# KiCad board Li-ion charger_panel.kicad_pcb (continued)
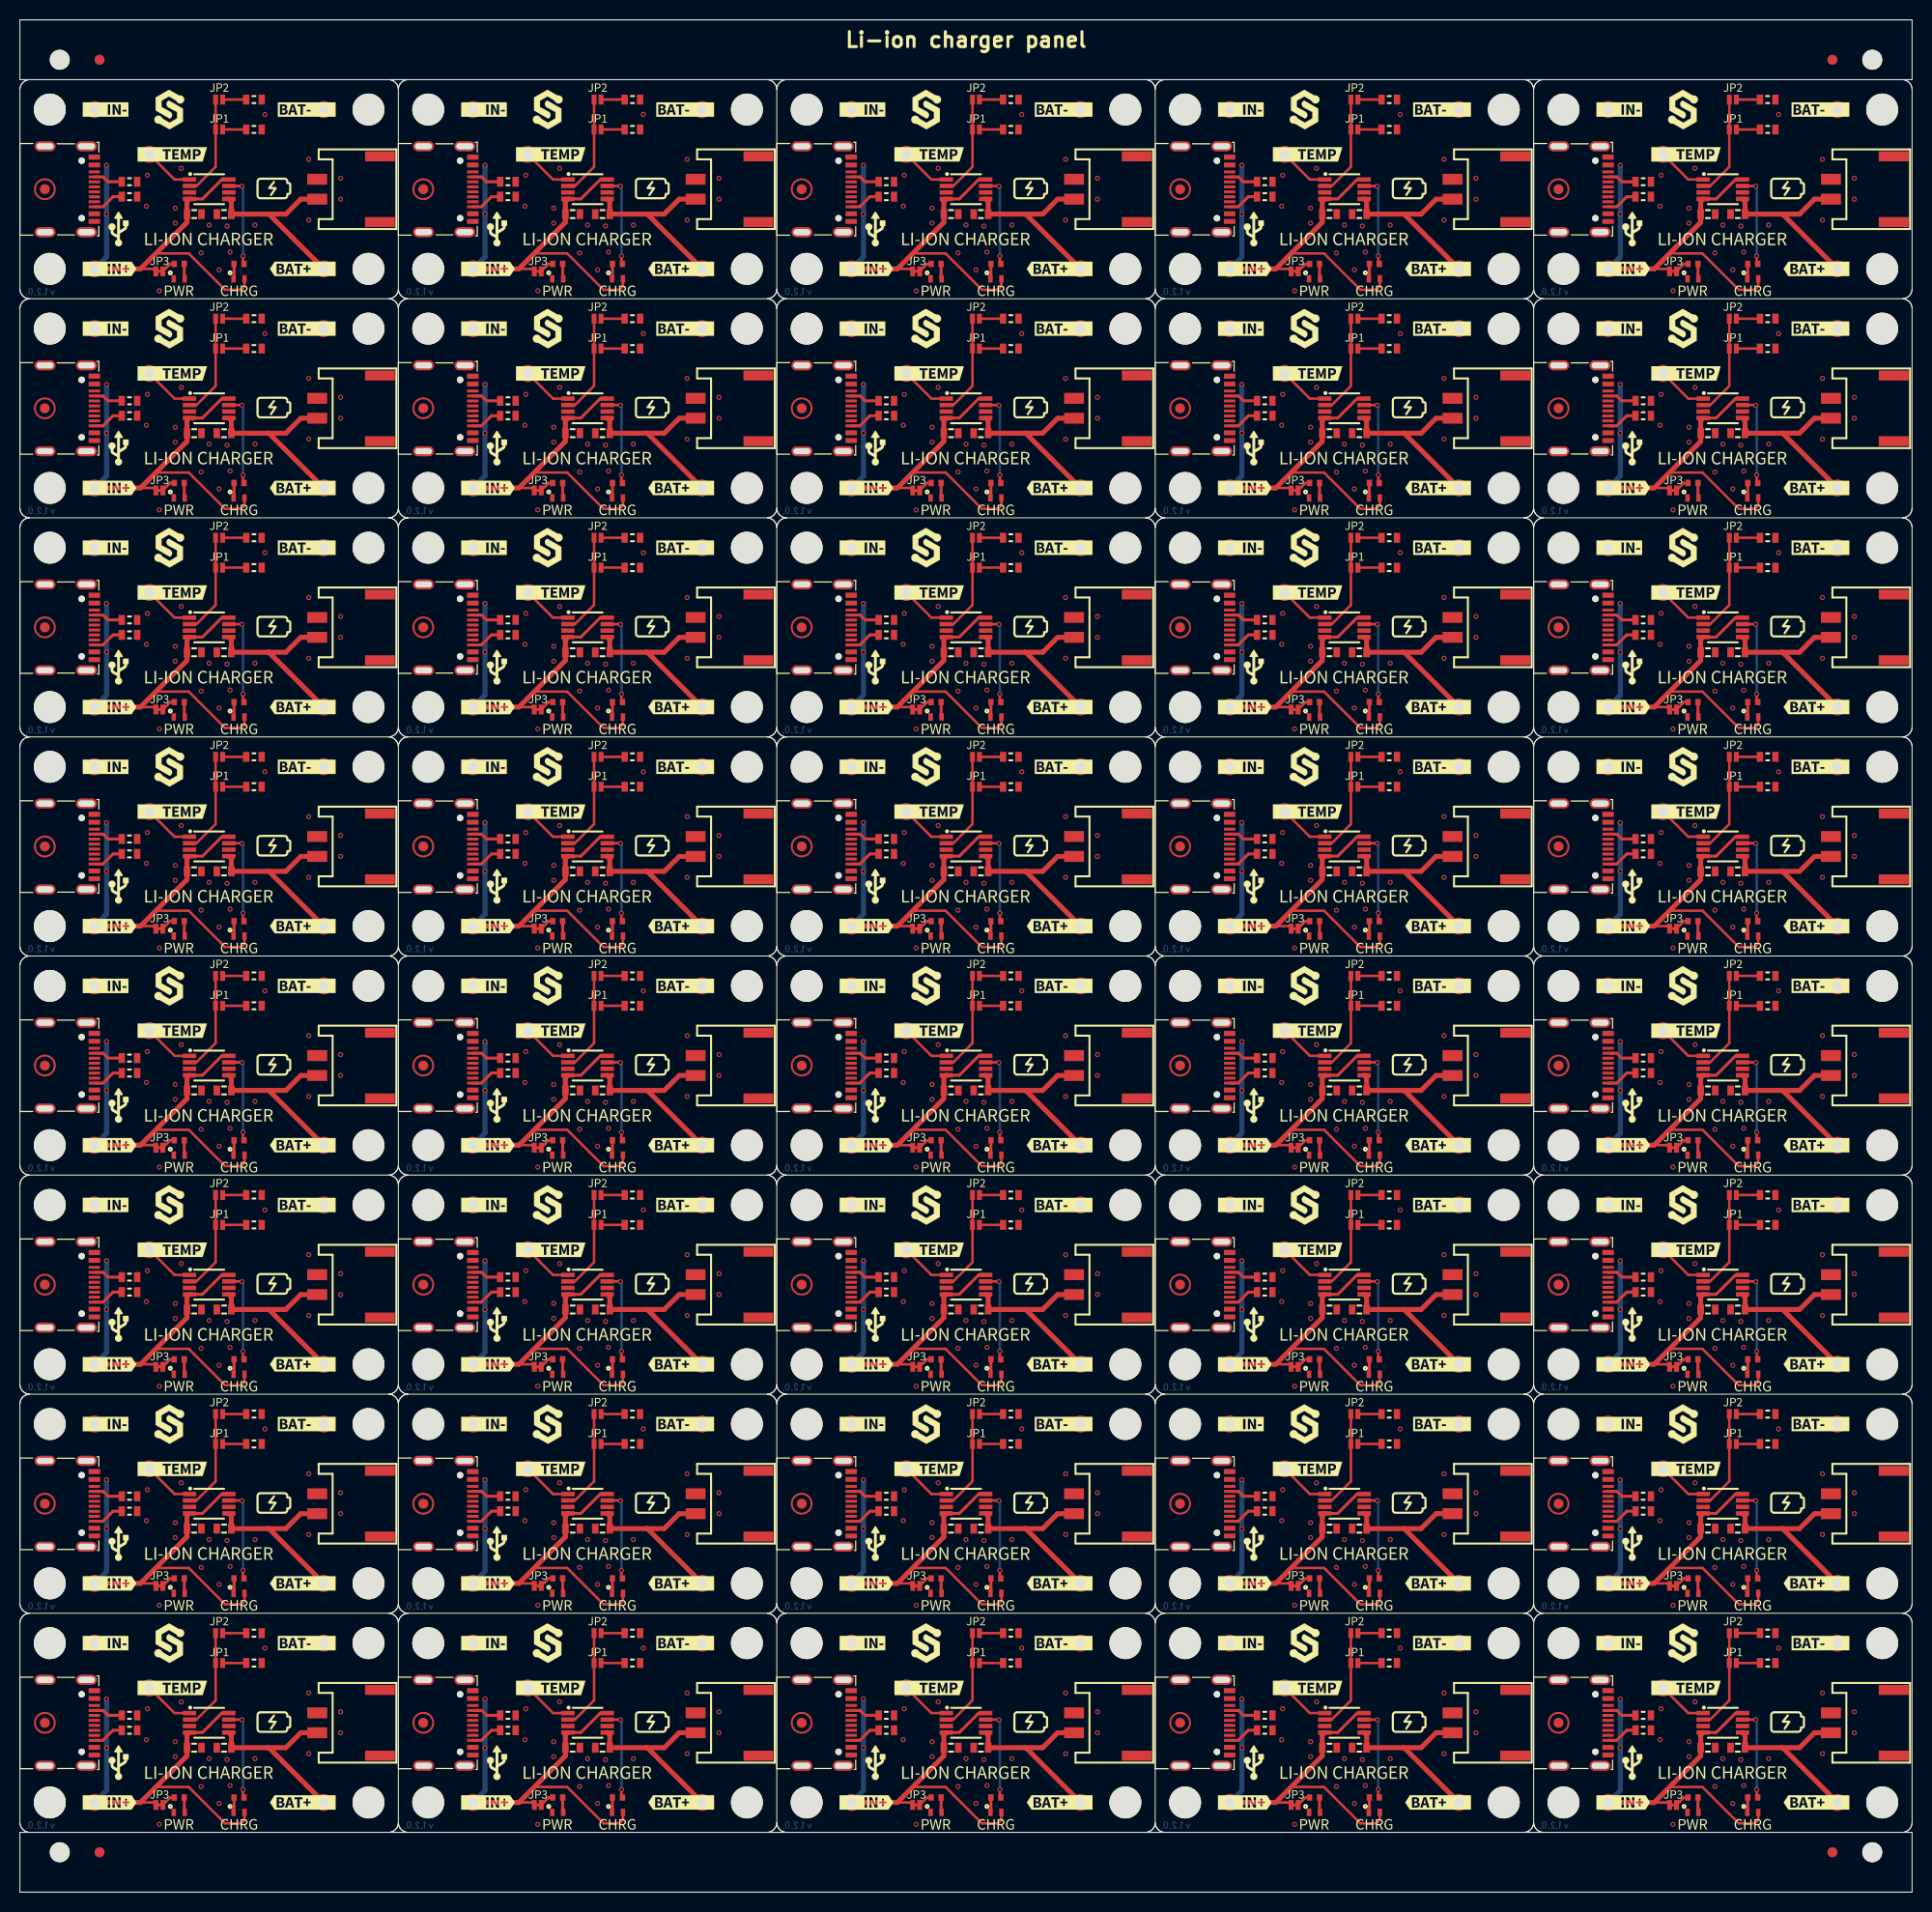
[diagram p0: board, top side]
## Nets (continued)
Board_6-Net-(JP2-Pad1): JP2#2.1 R4#3.2
Board_6-Net-(JP3-Pad2): JP3#26.2 R6#14.1
Board_6-Net-(K1-PadA5): K1#4.A5 R2#14.1
Board_6-Net-(K1-PadB5): K1#4.B5 R1#25.1
Board_6-Net-(R5-Pad1): R5#12.1 U1#24.7
Board_6-PROG: JP1#28.2 JP2#2.2 U1#24.2
Board_6-TEMP: K4#18.1 U1#24.1
Board_6-unconnected-(K1-PadA6): K1#4.A6
Board_6-unconnected-(K1-PadA7): K1#4.A7
Board_6-unconnected-(K1-PadA8): K1#4.A8
Board_6-unconnected-(K1-PadB6): K1#4.B6
Board_6-unconnected-(K1-PadB7): K1#4.B7
Board_6-unconnected-(K1-PadB8): K1#4.B8
Board_6-unconnected-(U1-Pad6): U1#24.6
Board_6-VBAT: C2#28.2 K5#13.1 K7#4.1 U1#24.5
Board_6-VUSB: C1#5.2 D1#28.1 JP3#26.1 K1#4.A4 K1#4.A9 K1#4.B4 K1#4.B9 K2#38.1 U1#24.4 U1#24.8
Board_7-GND: C1#29.1 C2#38.1 D2#5.2 K1#9.A1 K1#9.A12 K1#9.B1 K1#9.B12 K1#9.SH K3#15.1 K6#15.1 K7#17.2 R1#34.2 R2#34.2 R3#30.1 R4#32.1 U1#33.3
Board_7-Net-(D1-Pad2): D1#18.2 R5#30.2
Board_7-Net-(D2-Pad1): D2#5.1 R6.2
Board_7-Net-(JP1-Pad1): JP1#26.1 R3#30.2
Board_7-Net-(JP2-Pad1): JP2#16.1 R4#32.2
Board_7-Net-(JP3-Pad2): JP3#32.2 R6.1
Board_7-Net-(K1-PadA5): K1#9.A5 R2#34.1
Board_7-Net-(K1-PadB5): K1#9.B5 R1#34.1
Board_7-Net-(R5-Pad1): R5#30.1 U1#33.7
Board_7-PROG: JP1#26.2 JP2#16.2 U1#33.2
Board_7-TEMP: K4#37.1 U1#33.1
Board_7-unconnected-(K1-PadA6): K1#9.A6
Board_7-unconnected-(K1-PadA7): K1#9.A7
Board_7-unconnected-(K1-PadA8): K1#9.A8
Board_7-unconnected-(K1-PadB6): K1#9.B6
Board_7-unconnected-(K1-PadB7): K1#9.B7
Board_7-unconnected-(K1-PadB8): K1#9.B8
Board_7-unconnected-(U1-Pad6): U1#33.6
Board_7-VBAT: C2#38.2 K5#22.1 K7#17.1 U1#33.5
Board_7-VUSB: C1#29.2 D1#18.1 JP3#32.1 K1#9.A4 K1#9.A9 K1#9.B4 K1#9.B9 K2#40.1 U1#33.4 U1#33.8
Board_8-GND: C1#14.1 C2#39.1 D2#22.2 K1#13.A1 K1#13.A12 K1#13.B1 K1#13.B12 K1#13.SH K3#16.1 K6#11.1 K7#12.2 R1#12.2 R2#18.2 R3#12.1 R4#29.1 U1#6.3
Board_8-Net-(D1-Pad2): D1#33.2 R5#4.2
Board_8-Net-(D2-Pad1): D2#22.1 R6#27.2
Board_8-Net-(JP1-Pad1): JP1#17.1 R3#12.2
Board_8-Net-(JP2-Pad1): JP2#33.1 R4#29.2
Board_8-Net-(JP3-Pad2): JP3#31.2 R6#27.1
Board_8-Net-(K1-PadA5): K1#13.A5 R2#18.1
Board_8-Net-(K1-PadB5): K1#13.B5 R1#12.1
Board_8-Net-(R5-Pad1): R5#4.1 U1#6.7
Board_8-PROG: JP1#17.2 JP2#33.2 U1#6.2
Board_8-TEMP: K4#30.1 U1#6.1
Board_8-unconnected-(K1-PadA6): K1#13.A6
Board_8-unconnected-(K1-PadA7): K1#13.A7
Board_8-unconnected-(K1-PadA8): K1#13.A8
Board_8-unconnected-(K1-PadB6): K1#13.B6
Board_8-unconnected-(K1-PadB7): K1#13.B7
Board_8-unconnected-(K1-PadB8): K1#13.B8
Board_8-unconnected-(U1-Pad6): U1#6.6
Board_8-VBAT: C2#39.2 K5#38.1 K7#12.1 U1#6.5
Board_8-VUSB: C1#14.2 D1#33.1 JP3#31.1 K1#13.A4 K1#13.A9 K1#13.B4 K1#13.B9 K2#17.1 U1#6.4 U1#6.8
Board_9-GND: C1#34.1 C2#5.1 D2#25.2 K1#33.A1 K1#33.A12 K1#33.B1 K1#33.B12 K1#33.SH K3#13.1 K6#26.1 K7#16.2 R1#30.2 R2#40.2 R3#25.1 R4#30.1 U1#31.3
Board_9-Net-(D1-Pad2): D1#12.2 R5#20.2
Board_9-Net-(D2-Pad1): D2#25.1 R6#32.2
Board_9-Net-(JP1-Pad1): JP1.1 R3#25.2
Board_9-Net-(JP2-Pad1): JP2.1 R4#30.2
Board_9-Net-(JP3-Pad2): JP3#10.2 R6#32.1
Board_9-Net-(K1-PadA5): K1#33.A5 R2#40.1
Board_9-Net-(K1-PadB5): K1#33.B5 R1#30.1
Board_9-Net-(R5-Pad1): R5#20.1 U1#31.7
Board_9-PROG: JP1.2 JP2.2 U1#31.2
Board_9-TEMP: K4#15.1 U1#31.1
Board_9-unconnected-(K1-PadA6): K1#33.A6
Board_9-unconnected-(K1-PadA7): K1#33.A7
Board_9-unconnected-(K1-PadA8): K1#33.A8
Board_9-unconnected-(K1-PadB6): K1#33.B6
Board_9-unconnected-(K1-PadB7): K1#33.B7
Board_9-unconnected-(K1-PadB8): K1#33.B8
Board_9-unconnected-(U1-Pad6): U1#31.6
Board_9-VBAT: C2#5.2 K5#26.1 K7#16.1 U1#31.5
Board_9-VUSB: C1#34.2 D1#12.1 JP3#10.1 K1#33.A4 K1#33.A9 K1#33.B4 K1#33.B9 K2#7.1 U1#31.4 U1#31.8
Board_10-GND: C1#17.1 C2#22.1 D2#26.2 K1#40.A1 K1#40.A12 K1#40.B1 K1#40.B12 K1#40.SH K3#28.1 K6#33.1 K7#34.2 R1#10.2 R2#12.2 R3#19.1 R4#11.1 U1#16.3
Board_10-Net-(D1-Pad2): D1#29.2 R5#9.2
Board_10-Net-(D2-Pad1): D2#26.1 R6#5.2
Board_10-Net-(JP1-Pad1): JP1#27.1 R3#19.2
Board_10-Net-(JP2-Pad1): JP2#8.1 R4#11.2
Board_10-Net-(JP3-Pad2): JP3#13.2 R6#5.1
Board_10-Net-(K1-PadA5): K1#40.A5 R2#12.1
Board_10-Net-(K1-PadB5): K1#40.B5 R1#10.1
Board_10-Net-(R5-Pad1): R5#9.1 U1#16.7
Board_10-PROG: JP1#27.2 JP2#8.2 U1#16.2
Board_10-TEMP: K4#16.1 U1#16.1
Board_10-unconnected-(K1-PadA6): K1#40.A6
Board_10-unconnected-(K1-PadA7): K1#40.A7
Board_10-unconnected-(K1-PadA8): K1#40.A8
Board_10-unconnected-(K1-PadB6): K1#40.B6
Board_10-unconnected-(K1-PadB7): K1#40.B7
Board_10-unconnected-(K1-PadB8): K1#40.B8
Board_10-unconnected-(U1-Pad6): U1#16.6
Board_10-VBAT: C2#22.2 K5#11.1 K7#34.1 U1#16.5
Board_10-VUSB: C1#17.2 D1#29.1 JP3#13.1 K1#40.A4 K1#40.A9 K1#40.B4 K1#40.B9 K2#37.1 U1#16.4 U1#16.8
Board_11-GND: C1#28.1 C2#37.1 D2#6.2 K1#35.A1 K1#35.A12 K1#35.B1 K1#35.B12 K1#35.SH K3#8.1 K6#35.1 K7#39.2 R1#22.2 R2#26.2 R3#6.1 R4#14.1 U1#5.3
Board_11-Net-(D1-Pad2): D1#22.2 R5#18.2
Board_11-Net-(D2-Pad1): D2#6.1 R6#29.2
Board_11-Net-(JP1-Pad1): JP1#5.1 R3#6.2
Board_11-Net-(JP2-Pad1): JP2#28.1 R4#14.2
Board_11-Net-(JP3-Pad2): JP3#9.2 R6#29.1
Board_11-Net-(K1-PadA5): K1#35.A5 R2#26.1
Board_11-Net-(K1-PadB5): K1#35.B5 R1#22.1
Board_11-Net-(R5-Pad1): R5#18.1 U1#5.7
Board_11-PROG: JP1#5.2 JP2#28.2 U1#5.2
Board_11-TEMP: K4#13.1 U1#5.1
Board_11-unconnected-(K1-PadA6): K1#35.A6
Board_11-unconnected-(K1-PadA7): K1#35.A7
Board_11-unconnected-(K1-PadA8): K1#35.A8
Board_11-unconnected-(K1-PadB6): K1#35.B6
Board_11-unconnected-(K1-PadB7): K1#35.B7
Board_11-unconnected-(K1-PadB8): K1#35.B8
Board_11-unconnected-(U1-Pad6): U1#5.6
Board_11-VBAT: C2#37.2 K5#17.1 K7#39.1 U1#5.5
Board_11-VUSB: C1#28.2 D1#22.1 JP3#9.1 K1#35.A4 K1#35.A9 K1#35.B4 K1#35.B9 K2#24.1 U1#5.4 U1#5.8
Board_12-GND: C1#39.1 C2#23.1 D2#9.2 K1#23.A1 K1#23.A12 K1#23.B1 K1#23.B12 K1#23.SH K3#9.1 K6#18.1 K7#13.2 R1#4.2 R2#2.2 R3#14.1 R4#38.1 U1#3.3
Board_12-Net-(D1-Pad2): D1#15.2 R5#11.2
Board_12-Net-(D2-Pad1): D2#9.1 R6#9.2
Board_12-Net-(JP1-Pad1): JP1#40.1 R3#14.2
Board_12-Net-(JP2-Pad1): JP2#34.1 R4#38.2
Board_12-Net-(JP3-Pad2): JP3#2.2 R6#9.1
Board_12-Net-(K1-PadA5): K1#23.A5 R2#2.1
Board_12-Net-(K1-PadB5): K1#23.B5 R1#4.1
Board_12-Net-(R5-Pad1): R5#11.1 U1#3.7
Board_12-PROG: JP1#40.2 JP2#34.2 U1#3.2
Board_12-TEMP: K4#7.1 U1#3.1
Board_12-unconnected-(K1-PadA6): K1#23.A6
Board_12-unconnected-(K1-PadA7): K1#23.A7
Board_12-unconnected-(K1-PadA8): K1#23.A8
Board_12-unconnected-(K1-PadB6): K1#23.B6
Board_12-unconnected-(K1-PadB7): K1#23.B7
Board_12-unconnected-(K1-PadB8): K1#23.B8
Board_12-unconnected-(U1-Pad6): U1#3.6
Board_12-VBAT: C2#23.2 K5#28.1 K7#13.1 U1#3.5
Board_12-VUSB: C1#39.2 D1#15.1 JP3#2.1 K1#23.A4 K1#23.A9 K1#23.B4 K1#23.B9 K2#16.1 U1#3.4 U1#3.8
Board_13-GND: C1#11.1 C2#15.1 D2#8.2 K1#12.A1 K1#12.A12 K1#12.B1 K1#12.B12 K1#12.SH K3#18.1 K6#5.1 K7#31.2 R1#18.2 R2#3.2 R3#15.1 R4#22.1 U1#32.3
Board_13-Net-(D1-Pad2): D1#14.2 R5#6.2
Board_13-Net-(D2-Pad1): D2#8.1 R6#31.2
Board_13-Net-(JP1-Pad1): JP1#31.1 R3#15.2
Board_13-Net-(JP2-Pad1): JP2#9.1 R4#22.2
Board_13-Net-(JP3-Pad2): JP3#14.2 R6#31.1
Board_13-Net-(K1-PadA5): K1#12.A5 R2#3.1
Board_13-Net-(K1-PadB5): K1#12.B5 R1#18.1
Board_13-Net-(R5-Pad1): R5#6.1 U1#32.7
Board_13-PROG: JP1#31.2 JP2#9.2 U1#32.2
Board_13-TEMP: K4#17.1 U1#32.1
Board_13-unconnected-(K1-PadA6): K1#12.A6
Board_13-unconnected-(K1-PadA7): K1#12.A7
Board_13-unconnected-(K1-PadA8): K1#12.A8
Board_13-unconnected-(K1-PadB6): K1#12.B6
Board_13-unconnected-(K1-PadB7): K1#12.B7
Board_13-unconnected-(K1-PadB8): K1#12.B8
Board_13-unconnected-(U1-Pad6): U1#32.6
Board_13-VBAT: C2#15.2 K5#33.1 K7#31.1 U1#32.5
Board_13-VUSB: C1#11.2 D1#14.1 JP3#14.1 K1#12.A4 K1#12.A9 K1#12.B4 K1#12.B9 K2#14.1 U1#32.4 U1#32.8
Board_14-GND: C1#26.1 C2#19.1 D2#2.2 K1#25.A1 K1#25.A12 K1#25.B1 K1#25.B12 K1#25.SH K3#4.1 K6#7.1 K7#14.2 R1#11.2 R2#38.2 R3#34.1 R4#10.1 U1#23.3
Board_14-Net-(D1-Pad2): D1#23.2 R5#37.2
Board_14-Net-(D2-Pad1): D2#2.1 R6#40.2
Board_14-Net-(JP1-Pad1): JP1#12.1 R3#34.2
Board_14-Net-(JP2-Pad1): JP2#13.1 R4#10.2
Board_14-Net-(JP3-Pad2): JP3#12.2 R6#40.1
Board_14-Net-(K1-PadA5): K1#25.A5 R2#38.1
Board_14-Net-(K1-PadB5): K1#25.B5 R1#11.1
Board_14-Net-(R5-Pad1): R5#37.1 U1#23.7
Board_14-PROG: JP1#12.2 JP2#13.2 U1#23.2
Board_14-TEMP: K4#26.1 U1#23.1
Board_14-unconnected-(K1-PadA6): K1#25.A6
Board_14-unconnected-(K1-PadA7): K1#25.A7
Board_14-unconnected-(K1-PadA8): K1#25.A8
Board_14-unconnected-(K1-PadB6): K1#25.B6
Board_14-unconnected-(K1-PadB7): K1#25.B7
Board_14-unconnected-(K1-PadB8): K1#25.B8
Board_14-unconnected-(U1-Pad6): U1#23.6
Board_14-VBAT: C2#19.2 K5#2.1 K7#14.1 U1#23.5
Board_14-VUSB: C1#26.2 D1#23.1 JP3#12.1 K1#25.A4 K1#25.A9 K1#25.B4 K1#25.B9 K2.1 U1#23.4 U1#23.8
Board_15-GND: C1#10.1 C2#31.1 D2#23.2 K1#8.A1 K1#8.A12 K1#8.B1 K1#8.B12 K1#8.SH K3#38.1 K6#21.1 K7#23.2 R1#31.2 R2#16.2 R3.1 R4#34.1 U1#13.3
Board_15-Net-(D1-Pad2): D1#21.2 R5#29.2
Board_15-Net-(D2-Pad1): D2#23.1 R6#18.2
Board_15-Net-(JP1-Pad1): JP1#4.1 R3.2
Board_15-Net-(JP2-Pad1): JP2#15.1 R4#34.2
Board_15-Net-(JP3-Pad2): JP3#21.2 R6#18.1
Board_15-Net-(K1-PadA5): K1#8.A5 R2#16.1
Board_15-Net-(K1-PadB5): K1#8.B5 R1#31.1
Board_15-Net-(R5-Pad1): R5#29.1 U1#13.7
Board_15-PROG: JP1#4.2 JP2#15.2 U1#13.2
Board_15-TEMP: K4#29.1 U1#13.1
Board_15-unconnected-(K1-PadA6): K1#8.A6
Board_15-unconnected-(K1-PadA7): K1#8.A7
Board_15-unconnected-(K1-PadA8): K1#8.A8
Board_15-unconnected-(K1-PadB6): K1#8.B6
Board_15-unconnected-(K1-PadB7): K1#8.B7
Board_15-unconnected-(K1-PadB8): K1#8.B8
Board_15-unconnected-(U1-Pad6): U1#13.6
Board_15-VBAT: C2#31.2 K5#25.1 K7#23.1 U1#13.5
Board_15-VUSB: C1#10.2 D1#21.1 JP3#21.1 K1#8.A4 K1#8.A9 K1#8.B4 K1#8.B9 K2#33.1 U1#13.4 U1#13.8
Board_16-GND: C1#21.1 C2#10.1 D2#15.2 K1.A1 K1.A12 K1.B1 K1.B12 K1.SH K3#11.1 K6#38.1 K7#5.2 R1#35.2 R2#32.2 R3#3.1 R4#37.1 U1#34.3
Board_16-Net-(D1-Pad2): D1#4.2 R5#2.2
Board_16-Net-(D2-Pad1): D2#15.1 R6#39.2
Board_16-Net-(JP1-Pad1): JP1#19.1 R3#3.2
Board_16-Net-(JP2-Pad1): JP2#35.1 R4#37.2
Board_16-Net-(JP3-Pad2): JP3#24.2 R6#39.1
Board_16-Net-(K1-PadA5): K1.A5 R2#32.1
Board_16-Net-(K1-PadB5): K1.B5 R1#35.1
Board_16-Net-(R5-Pad1): R5#2.1 U1#34.7
Board_16-PROG: JP1#19.2 JP2#35.2 U1#34.2
Board_16-TEMP: K4#9.1 U1#34.1
Board_16-unconnected-(K1-PadA6): K1.A6
Board_16-unconnected-(K1-PadA7): K1.A7
Board_16-unconnected-(K1-PadA8): K1.A8
Board_16-unconnected-(K1-PadB6): K1.B6
Board_16-unconnected-(K1-PadB7): K1.B7
Board_16-unconnected-(K1-PadB8): K1.B8
Board_16-unconnected-(U1-Pad6): U1#34.6
Board_16-VBAT: C2#10.2 K5#35.1 K7#5.1 U1#34.5
Board_16-VUSB: C1#21.2 D1#4.1 JP3#24.1 K1.A4 K1.A9 K1.B4 K1.B9 K2#36.1 U1#34.4 U1#34.8
Board_17-GND: C1#19.1 C2#13.1 D2.2 K1#15.A1 K1#15.A12 K1#15.B1 K1#15.B12 K1#15.SH K3#7.1 K6#16.1 K7#20.2 R1#8.2 R2#19.2 R3#5.1 R4#35.1 U1#17.3
Board_17-Net-(D1-Pad2): D1#36.2 R5#22.2
Board_17-Net-(D2-Pad1): D2.1 R6#13.2
Board_17-Net-(JP1-Pad1): JP1#24.1 R3#5.2
Board_17-Net-(JP2-Pad1): JP2#4.1 R4#35.2
Board_17-Net-(JP3-Pad2): JP3#34.2 R6#13.1
Board_17-Net-(K1-PadA5): K1#15.A5 R2#19.1
Board_17-Net-(K1-PadB5): K1#15.B5 R1#8.1
Board_17-Net-(R5-Pad1): R5#22.1 U1#17.7
Board_17-PROG: JP1#24.2 JP2#4.2 U1#17.2
Board_17-TEMP: K4#39.1 U1#17.1
Board_17-unconnected-(K1-PadA6): K1#15.A6
Board_17-unconnected-(K1-PadA7): K1#15.A7
Board_17-unconnected-(K1-PadA8): K1#15.A8
Board_17-unconnected-(K1-PadB6): K1#15.B6
Board_17-unconnected-(K1-PadB7): K1#15.B7
Board_17-unconnected-(K1-PadB8): K1#15.B8
Board_17-unconnected-(U1-Pad6): U1#17.6
Board_17-VBAT: C2#13.2 K5#3.1 K7#20.1 U1#17.5
Board_17-VUSB: C1#19.2 D1#36.1 JP3#34.1 K1#15.A4 K1#15.A9 K1#15.B4 K1#15.B9 K2#28.1 U1#17.4 U1#17.8
Board_18-GND: C1#6.1 C2#12.1 D2#17.2 K1#14.A1 K1#14.A12 K1#14.B1 K1#14.B12 K1#14.SH K3#14.1 K6#9.1 K7#27.2 R1#14.2 R2#21.2 R3#27.1 R4#6.1 U1#39.3
Board_18-Net-(D1-Pad2): D1#38.2 R5#31.2
Board_18-Net-(D2-Pad1): D2#17.1 R6#10.2
Board_18-Net-(JP1-Pad1): JP1#32.1 R3#27.2
Board_18-Net-(JP2-Pad1): JP2#10.1 R4#6.2
Board_18-Net-(JP3-Pad2): JP3#7.2 R6#10.1
Board_18-Net-(K1-PadA5): K1#14.A5 R2#21.1
Board_18-Net-(K1-PadB5): K1#14.B5 R1#14.1
Board_18-Net-(R5-Pad1): R5#31.1 U1#39.7
Board_18-PROG: JP1#32.2 JP2#10.2 U1#39.2
Board_18-TEMP: K4#5.1 U1#39.1
Board_18-unconnected-(K1-PadA6): K1#14.A6
Board_18-unconnected-(K1-PadA7): K1#14.A7
Board_18-unconnected-(K1-PadA8): K1#14.A8
Board_18-unconnected-(K1-PadB6): K1#14.B6
Board_18-unconnected-(K1-PadB7): K1#14.B7
Board_18-unconnected-(K1-PadB8): K1#14.B8
Board_18-unconnected-(U1-Pad6): U1#39.6
Board_18-VBAT: C2#12.2 K5#18.1 K7#27.1 U1#39.5
Board_18-VUSB: C1#6.2 D1#38.1 JP3#7.1 K1#14.A4 K1#14.A9 K1#14.B4 K1#14.B9 K2#18.1 U1#39.4 U1#39.8
Board_19-GND: C1#12.1 C2#30.1 D2#36.2 K1#26.A1 K1#26.A12 K1#26.B1 K1#26.B12 K1#26.SH K3#33.1 K6#6.1 K7#28.2 R1#13.2 R2#30.2 R3#29.1 R4#21.1 U1#26.3
Board_19-Net-(D1-Pad2): D1#6.2 R5#5.2
Board_19-Net-(D2-Pad1): D2#36.1 R6#28.2
Board_19-Net-(JP1-Pad1): JP1#7.1 R3#29.2
Board_19-Net-(JP2-Pad1): JP2#19.1 R4#21.2
Board_19-Net-(JP3-Pad2): JP3#36.2 R6#28.1
Board_19-Net-(K1-PadA5): K1#26.A5 R2#30.1
Board_19-Net-(K1-PadB5): K1#26.B5 R1#13.1
Board_19-Net-(R5-Pad1): R5#5.1 U1#26.7
Board_19-PROG: JP1#7.2 JP2#19.2 U1#26.2
Board_19-TEMP: K4#2.1 U1#26.1
Board_19-unconnected-(K1-PadA6): K1#26.A6
Board_19-unconnected-(K1-PadA7): K1#26.A7
Board_19-unconnected-(K1-PadA8): K1#26.A8
Board_19-unconnected-(K1-PadB6): K1#26.B6
Board_19-unconnected-(K1-PadB7): K1#26.B7
Board_19-unconnected-(K1-PadB8): K1#26.B8
Board_19-unconnected-(U1-Pad6): U1#26.6
Board_19-VBAT: C2#30.2 K5#27.1 K7#28.1 U1#26.5
Board_19-VUSB: C1#12.2 D1#6.1 JP3#36.1 K1#26.A4 K1#26.A9 K1#26.B4 K1#26.B9 K2#8.1 U1#26.4 U1#26.8
Board_20-GND: C1#32.1 C2#9.1 D2#21.2 K1#21.A1 K1#21.A12 K1#21.B1 K1#21.B12 K1#21.SH K3#17.1 K6#23.1 K7#21.2 R1#37.2 R2#20.2 R3#32.1 R4#17.1 U1#8.3
Board_20-Net-(D1-Pad2): D1#17.2 R5#15.2
Board_20-Net-(D2-Pad1): D2#21.1 R6#2.2
Board_20-Net-(JP1-Pad1): JP1#20.1 R3#32.2
Board_20-Net-(JP2-Pad1): JP2#7.1 R4#17.2
Board_20-Net-(JP3-Pad2): JP3#4.2 R6#2.1
Board_20-Net-(K1-PadA5): K1#21.A5 R2#20.1
Board_20-Net-(K1-PadB5): K1#21.B5 R1#37.1
Board_20-Net-(R5-Pad1): R5#15.1 U1#8.7
Board_20-PROG: JP1#20.2 JP2#7.2 U1#8.2
Board_20-TEMP: K4#3.1 U1#8.1
Board_20-unconnected-(K1-PadA6): K1#21.A6
Board_20-unconnected-(K1-PadA7): K1#21.A7
Board_20-unconnected-(K1-PadA8): K1#21.A8
Board_20-unconnected-(K1-PadB6): K1#21.B6
Board_20-unconnected-(K1-PadB7): K1#21.B7
Board_20-unconnected-(K1-PadB8): K1#21.B8
Board_20-unconnected-(U1-Pad6): U1#8.6
Board_20-VBAT: C2#9.2 K5#19.1 K7#21.1 U1#8.5
Board_20-VUSB: C1#32.2 D1#17.1 JP3#4.1 K1#21.A4 K1#21.A9 K1#21.B4 K1#21.B9 K2#23.1 U1#8.4 U1#8.8
Board_21-GND: C1#30.1 C2#34.1 D2#27.2 K1#17.A1 K1#17.A12 K1#17.B1 K1#17.B12 K1#17.SH K3#22.1 K6#32.1 K7#37.2 R1#40.2 R2#37.2 R3#23.1 R4#15.1 U1#28.3
Board_21-Net-(D1-Pad2): D1.2 R5#34.2
Board_21-Net-(D2-Pad1): D2#27.1 R6#6.2
Board_21-Net-(JP1-Pad1): JP1#10.1 R3#23.2
Board_21-Net-(JP2-Pad1): JP2#25.1 R4#15.2
Board_21-Net-(JP3-Pad2): JP3#19.2 R6#6.1
Board_21-Net-(K1-PadA5): K1#17.A5 R2#37.1
Board_21-Net-(K1-PadB5): K1#17.B5 R1#40.1
Board_21-Net-(R5-Pad1): R5#34.1 U1#28.7
Board_21-PROG: JP1#10.2 JP2#25.2 U1#28.2
Board_21-TEMP: K4#23.1 U1#28.1
Board_21-unconnected-(K1-PadA6): K1#17.A6
Board_21-unconnected-(K1-PadA7): K1#17.A7
Board_21-unconnected-(K1-PadA8): K1#17.A8
Board_21-unconnected-(K1-PadB6): K1#17.B6
Board_21-unconnected-(K1-PadB7): K1#17.B7
Board_21-unconnected-(K1-PadB8): K1#17.B8
Board_21-unconnected-(U1-Pad6): U1#28.6
Board_21-VBAT: C2#34.2 K5#6.1 K7#37.1 U1#28.5
Board_21-VUSB: C1#30.2 D1.1 JP3#19.1 K1#17.A4 K1#17.A9 K1#17.B4 K1#17.B9 K2#6.1 U1#28.4 U1#28.8
Board_22-GND: C1#33.1 C2#16.1 D2#4.2 K1#10.A1 K1#10.A12 K1#10.B1 K1#10.B12 K1#10.SH K3#20.1 K6#17.1 K7#8.2 R1#29.2 R2#10.2 R3#28.1 R4#39.1 U1#29.3
Board_22-Net-(D1-Pad2): D1#27.2 R5#24.2
Board_22-Net-(D2-Pad1): D2#4.1 R6#30.2
Board_22-Net-(JP1-Pad1): JP1#29.1 R3#28.2
Board_22-Net-(JP2-Pad1): JP2#21.1 R4#39.2
Board_22-Net-(JP3-Pad2): JP3#35.2 R6#30.1
Board_22-Net-(K1-PadA5): K1#10.A5 R2#10.1
Board_22-Net-(K1-PadB5): K1#10.B5 R1#29.1
Board_22-Net-(R5-Pad1): R5#24.1 U1#29.7
Board_22-PROG: JP1#29.2 JP2#21.2 U1#29.2
Board_22-TEMP: K4#12.1 U1#29.1
Board_22-unconnected-(K1-PadA6): K1#10.A6
Board_22-unconnected-(K1-PadA7): K1#10.A7
Board_22-unconnected-(K1-PadA8): K1#10.A8
Board_22-unconnected-(K1-PadB6): K1#10.B6
Board_22-unconnected-(K1-PadB7): K1#10.B7
Board_22-unconnected-(K1-PadB8): K1#10.B8
Board_22-unconnected-(U1-Pad6): U1#29.6
Board_22-VBAT: C2#16.2 K5#21.1 K7#8.1 U1#29.5
Board_22-VUSB: C1#33.2 D1#27.1 JP3#35.1 K1#10.A4 K1#10.A9 K1#10.B4 K1#10.B9 K2#34.1 U1#29.4 U1#29.8
Board_23-GND: C1#37.1 C2#8.1 D2#33.2 K1#6.A1 K1#6.A12 K1#6.B1 K1#6.B12 K1#6.SH K3.1 K6#4.1 K7#15.2 R1#38.2 R2#28.2 R3#4.1 R4#20.1 U1#18.3
Board_23-Net-(D1-Pad2): D1#19.2 R5#21.2
Board_23-Net-(D2-Pad1): D2#33.1 R6#20.2
Board_23-Net-(JP1-Pad1): JP1#33.1 R3#4.2
Board_23-Net-(JP2-Pad1): JP2#36.1 R4#20.2
Board_23-Net-(JP3-Pad2): JP3#27.2 R6#20.1
Board_23-Net-(K1-PadA5): K1#6.A5 R2#28.1
Board_23-Net-(K1-PadB5): K1#6.B5 R1#38.1
Board_23-Net-(R5-Pad1): R5#21.1 U1#18.7
Board_23-PROG: JP1#33.2 JP2#36.2 U1#18.2
Board_23-TEMP: K4#20.1 U1#18.1
Board_23-unconnected-(K1-PadA6): K1#6.A6
Board_23-unconnected-(K1-PadA7): K1#6.A7
Board_23-unconnected-(K1-PadA8): K1#6.A8
Board_23-unconnected-(K1-PadB6): K1#6.B6
Board_23-unconnected-(K1-PadB7): K1#6.B7
Board_23-unconnected-(K1-PadB8): K1#6.B8
Board_23-unconnected-(U1-Pad6): U1#18.6
Board_23-VBAT: C2#8.2 K5#32.1 K7#15.1 U1#18.5
Board_23-VUSB: C1#37.2 D1#19.1 JP3#27.1 K1#6.A4 K1#6.A9 K1#6.B4 K1#6.B9 K2#5.1 U1#18.4 U1#18.8
Board_24-GND: C1#18.1 C2#40.1 D2#40.2 K1#34.A1 K1#34.A12 K1#34.B1 K1#34.B12 K1#34.SH K3#31.1 K6#3.1 K7#3.2 R1#21.2 R2#17.2 R3#33.1 R4#12.1 U1#2.3
Board_24-Net-(D1-Pad2): D1#10.2 R5#16.2
Board_24-Net-(D2-Pad1): D2#40.1 R6#38.2
Board_24-Net-(JP1-Pad1): JP1#2.1 R3#33.2
Board_24-Net-(JP2-Pad1): JP2#12.1 R4#12.2
Board_24-Net-(JP3-Pad2): JP3#5.2 R6#38.1
Board_24-Net-(K1-PadA5): K1#34.A5 R2#17.1
Board_24-Net-(K1-PadB5): K1#34.B5 R1#21.1
Board_24-Net-(R5-Pad1): R5#16.1 U1#2.7
Board_24-PROG: JP1#2.2 JP2#12.2 U1#2.2
Board_24-TEMP: K4#35.1 U1#2.1
Board_24-unconnected-(K1-PadA6): K1#34.A6
Board_24-unconnected-(K1-PadA7): K1#34.A7
Board_24-unconnected-(K1-PadA8): K1#34.A8
Board_24-unconnected-(K1-PadB6): K1#34.B6
Board_24-unconnected-(K1-PadB7): K1#34.B7
Board_24-unconnected-(K1-PadB8): K1#34.B8
Board_24-unconnected-(U1-Pad6): U1#2.6
Board_24-VBAT: C2#40.2 K5#36.1 K7#3.1 U1#2.5
Board_24-VUSB: C1#18.2 D1#10.1 JP3#5.1 K1#34.A4 K1#34.A9 K1#34.B4 K1#34.B9 K2#9.1 U1#2.4 U1#2.8
Board_25-GND: C1#23.1 C2#18.1 D2#10.2 K1#28.A1 K1#28.A12 K1#28.B1 K1#28.B12 K1#28.SH K3#37.1 K6#22.1 K7#19.2 R1#28.2 R2#8.2 R3#10.1 R4#26.1 U1.3
Board_25-Net-(D1-Pad2): D1#5.2 R5#3.2
Board_25-Net-(D2-Pad1): D2#10.1 R6#34.2
Board_25-Net-(JP1-Pad1): JP1#8.1 R3#10.2
Board_25-Net-(JP2-Pad1): JP2#14.1 R4#26.2
Board_25-Net-(JP3-Pad2): JP3#18.2 R6#34.1
Board_25-Net-(K1-PadA5): K1#28.A5 R2#8.1
Board_25-Net-(K1-PadB5): K1#28.B5 R1#28.1
Board_25-Net-(R5-Pad1): R5#3.1 U1.7
Board_25-PROG: JP1#8.2 JP2#14.2 U1.2
Board_25-TEMP: K4#24.1 U1.1
Board_25-unconnected-(K1-PadA6): K1#28.A6
Board_25-unconnected-(K1-PadA7): K1#28.A7
Board_25-unconnected-(K1-PadA8): K1#28.A8
Board_25-unconnected-(K1-PadB6): K1#28.B6
Board_25-unconnected-(K1-PadB7): K1#28.B7
Board_25-unconnected-(K1-PadB8): K1#28.B8
Board_25-unconnected-(U1-Pad6): U1.6
Board_25-VBAT: C2#18.2 K5#9.1 K7#19.1 U1.5
Board_25-VUSB: C1#23.2 D1#5.1 JP3#18.1 K1#28.A4 K1#28.A9 K1#28.B4 K1#28.B9 K2#20.1 U1.4 U1.8
Board_26-GND: C1#9.1 C2#21.1 D2#18.2 K1#37.A1 K1#37.A12 K1#37.B1 K1#37.B12 K1#37.SH K3#6.1 K6#20.1 K7#25.2 R1#9.2 R2#9.2 R3#17.1 R4#24.1 U1#40.3
Board_26-Net-(D1-Pad2): D1#30.2 R5#14.2
Board_26-Net-(D2-Pad1): D2#18.1 R6#15.2
Board_26-Net-(JP1-Pad1): JP1#16.1 R3#17.2
Board_26-Net-(JP2-Pad1): JP2#27.1 R4#24.2
Board_26-Net-(JP3-Pad2): JP3#11.2 R6#15.1
Board_26-Net-(K1-PadA5): K1#37.A5 R2#9.1
Board_26-Net-(K1-PadB5): K1#37.B5 R1#9.1
Board_26-Net-(R5-Pad1): R5#14.1 U1#40.7
Board_26-PROG: JP1#16.2 JP2#27.2 U1#40.2
Board_26-TEMP: K4#36.1 U1#40.1
Board_26-unconnected-(K1-PadA6): K1#37.A6
Board_26-unconnected-(K1-PadA7): K1#37.A7
Board_26-unconnected-(K1-PadA8): K1#37.A8
Board_26-unconnected-(K1-PadB6): K1#37.B6
Board_26-unconnected-(K1-PadB7): K1#37.B7
Board_26-unconnected-(K1-PadB8): K1#37.B8
Board_26-unconnected-(U1-Pad6): U1#40.6
Board_26-VBAT: C2#21.2 K5#39.1 K7#25.1 U1#40.5
Board_26-VUSB: C1#9.2 D1#30.1 JP3#11.1 K1#37.A4 K1#37.A9 K1#37.B4 K1#37.B9 K2#35.1 U1#40.4 U1#40.8
Board_27-GND: C1#3.1 C2#17.1 D2#24.2 K1#31.A1 K1#31.A12 K1#31.B1 K1#31.B12 K1#31.SH K3#29.1 K6#30.1 K7#38.2 R1#26.2 R2#22.2 R3#8.1 R4#40.1 U1#10.3
Board_27-Net-(D1-Pad2): D1#2.2 R5#17.2
Board_27-Net-(D2-Pad1): D2#24.1 R6#11.2
Board_27-Net-(JP1-Pad1): JP1#3.1 R3#8.2
Board_27-Net-(JP2-Pad1): JP2#5.1 R4#40.2
Board_27-Net-(JP3-Pad2): JP3#28.2 R6#11.1
Board_27-Net-(K1-PadA5): K1#31.A5 R2#22.1
Board_27-Net-(K1-PadB5): K1#31.B5 R1#26.1
Board_27-Net-(R5-Pad1): R5#17.1 U1#10.7
Board_27-PROG: JP1#3.2 JP2#5.2 U1#10.2
Board_27-TEMP: K4#28.1 U1#10.1
Board_27-unconnected-(K1-PadA6): K1#31.A6
Board_27-unconnected-(K1-PadA7): K1#31.A7
Board_27-unconnected-(K1-PadA8): K1#31.A8
Board_27-unconnected-(K1-PadB6): K1#31.B6
Board_27-unconnected-(K1-PadB7): K1#31.B7
Board_27-unconnected-(K1-PadB8): K1#31.B8
Board_27-unconnected-(U1-Pad6): U1#10.6
Board_27-VBAT: C2#17.2 K5#23.1 K7#38.1 U1#10.5
Board_27-VUSB: C1#3.2 D1#2.1 JP3#28.1 K1#31.A4 K1#31.A9 K1#31.B4 K1#31.B9 K2#2.1 U1#10.4 U1#10.8
Board_28-GND: C1#24.1 C2#2.1 D2#29.2 K1#19.A1 K1#19.A12 K1#19.B1 K1#19.B12 K1#19.SH K3#25.1 K6#36.1 K7#29.2 R1#5.2 R2#25.2 R3#2.1 R4#2.1 U1#7.3
Board_28-Net-(D1-Pad2): D1#20.2 R5#32.2
Board_28-Net-(D2-Pad1): D2#29.1 R6#24.2
Board_28-Net-(JP1-Pad1): JP1#11.1 R3#2.2
Board_28-Net-(JP2-Pad1): JP2#31.1 R4#2.2
Board_28-Net-(JP3-Pad2): JP3.2 R6#24.1
Board_28-Net-(K1-PadA5): K1#19.A5 R2#25.1
Board_28-Net-(K1-PadB5): K1#19.B5 R1#5.1
Board_28-Net-(R5-Pad1): R5#32.1 U1#7.7
Board_28-PROG: JP1#11.2 JP2#31.2 U1#7.2
Board_28-TEMP: K4#40.1 U1#7.1
Board_28-unconnected-(K1-PadA6): K1#19.A6
Board_28-unconnected-(K1-PadA7): K1#19.A7
Board_28-unconnected-(K1-PadA8): K1#19.A8
Board_28-unconnected-(K1-PadB6): K1#19.B6
Board_28-unconnected-(K1-PadB7): K1#19.B7
Board_28-unconnected-(K1-PadB8): K1#19.B8
Board_28-unconnected-(U1-Pad6): U1#7.6
Board_28-VBAT: C2#2.2 K5#29.1 K7#29.1 U1#7.5
Board_28-VUSB: C1#24.2 D1#20.1 JP3.1 K1#19.A4 K1#19.A9 K1#19.B4 K1#19.B9 K2#4.1 U1#7.4 U1#7.8
Board_29-GND: C1#25.1 C2#6.1 D2#14.2 K1#32.A1 K1#32.A12 K1#32.B1 K1#32.B12 K1#32.SH K3#39.1 K6#39.1 K7#33.2 R1#36.2 R2#15.2 R3#7.1 R4#9.1 U1#22.3
Board_29-Net-(D1-Pad2): D1#8.2 R5#8.2
Board_29-Net-(D2-Pad1): D2#14.1 R6#33.2
Board_29-Net-(JP1-Pad1): JP1#15.1 R3#7.2
Board_29-Net-(JP2-Pad1): JP2#39.1 R4#9.2
Board_29-Net-(JP3-Pad2): JP3#22.2 R6#33.1
Board_29-Net-(K1-PadA5): K1#32.A5 R2#15.1
Board_29-Net-(K1-PadB5): K1#32.B5 R1#36.1
Board_29-Net-(R5-Pad1): R5#8.1 U1#22.7
Board_29-PROG: JP1#15.2 JP2#39.2 U1#22.2
Board_29-TEMP: K4#31.1 U1#22.1
Board_29-unconnected-(K1-PadA6): K1#32.A6
Board_29-unconnected-(K1-PadA7): K1#32.A7
Board_29-unconnected-(K1-PadA8): K1#32.A8
Board_29-unconnected-(K1-PadB6): K1#32.B6
Board_29-unconnected-(K1-PadB7): K1#32.B7
Board_29-unconnected-(K1-PadB8): K1#32.B8
Board_29-unconnected-(U1-Pad6): U1#22.6
Board_29-VBAT: C2#6.2 K5#8.1 K7#33.1 U1#22.5
Board_29-VUSB: C1#25.2 D1#8.1 JP3#22.1 K1#32.A4 K1#32.A9 K1#32.B4 K1#32.B9 K2#10.1 U1#22.4 U1#22.8
Board_30-GND: C1#8.1 C2#7.1 D2#32.2 K1#36.A1 K1#36.A12 K1#36.B1 K1#36.B12 K1#36.SH K3#24.1 K6#25.1 K7#35.2 R1#27.2 R2#33.2 R3#36.1 R4#27.1 U1#15.3
Board_30-Net-(D1-Pad2): D1#13.2 R5.2
Board_30-Net-(D2-Pad1): D2#32.1 R6#7.2
Board_30-Net-(JP1-Pad1): JP1#36.1 R3#36.2
Board_30-Net-(JP2-Pad1): JP2#29.1 R4#27.2
Board_30-Net-(JP3-Pad2): JP3#8.2 R6#7.1
Board_30-Net-(K1-PadA5): K1#36.A5 R2#33.1
Board_30-Net-(K1-PadB5): K1#36.B5 R1#27.1
Board_30-Net-(R5-Pad1): R5.1 U1#15.7
Board_30-PROG: JP1#36.2 JP2#29.2 U1#15.2
Board_30-TEMP: K4#14.1 U1#15.1
Board_30-unconnected-(K1-PadA6): K1#36.A6
Board_30-unconnected-(K1-PadA7): K1#36.A7
Board_30-unconnected-(K1-PadA8): K1#36.A8
Board_30-unconnected-(K1-PadB6): K1#36.B6
Board_30-unconnected-(K1-PadB7): K1#36.B7
Board_30-unconnected-(K1-PadB8): K1#36.B8
Board_30-unconnected-(U1-Pad6): U1#15.6
Board_30-VBAT: C2#7.2 K5#14.1 K7#35.1 U1#15.5
Board_30-VUSB: C1#8.2 D1#13.1 JP3#8.1 K1#36.A4 K1#36.A9 K1#36.B4 K1#36.B9 K2#21.1 U1#15.4 U1#15.8
Board_31-GND: C1#40.1 C2#36.1 D2#7.2 K1#30.A1 K1#30.A12 K1#30.B1 K1#30.B12 K1#30.SH K3#21.1 K6#14.1 K7#24.2 R1#16.2 R2#5.2 R3#39.1 R4#28.1 U1#12.3
Board_31-Net-(D1-Pad2): D1#26.2 R5#28.2
Board_31-Net-(D2-Pad1): D2#7.1 R6#17.2
Board_31-Net-(JP1-Pad1): JP1#21.1 R3#39.2
Board_31-Net-(JP2-Pad1): JP2#30.1 R4#28.2
Board_31-Net-(JP3-Pad2): JP3#33.2 R6#17.1
Board_31-Net-(K1-PadA5): K1#30.A5 R2#5.1
Board_31-Net-(K1-PadB5): K1#30.B5 R1#16.1
Board_31-Net-(R5-Pad1): R5#28.1 U1#12.7
Board_31-PROG: JP1#21.2 JP2#30.2 U1#12.2
Board_31-TEMP: K4.1 U1#12.1
Board_31-unconnected-(K1-PadA6): K1#30.A6
Board_31-unconnected-(K1-PadA7): K1#30.A7
Board_31-unconnected-(K1-PadA8): K1#30.A8
Board_31-unconnected-(K1-PadB6): K1#30.B6
Board_31-unconnected-(K1-PadB7): K1#30.B7
Board_31-unconnected-(K1-PadB8): K1#30.B8
Board_31-unconnected-(U1-Pad6): U1#12.6
Board_31-VBAT: C2#36.2 K5#15.1 K7#24.1 U1#12.5
Board_31-VUSB: C1#40.2 D1#26.1 JP3#33.1 K1#30.A4 K1#30.A9 K1#30.B4 K1#30.B9 K2#11.1 U1#12.4 U1#12.8
Board_32-GND: C1#4.1 C2#33.1 D2#35.2 K1#5.A1 K1#5.A12 K1#5.B1 K1#5.B12 K1#5.SH K3#3.1 K6#12.1 K7#10.2 R1#39.2 R2#35.2 R3#20.1 R4#25.1 U1#20.3